# KiCad board mse-50-idc-panel.kicad_pcb (continued)
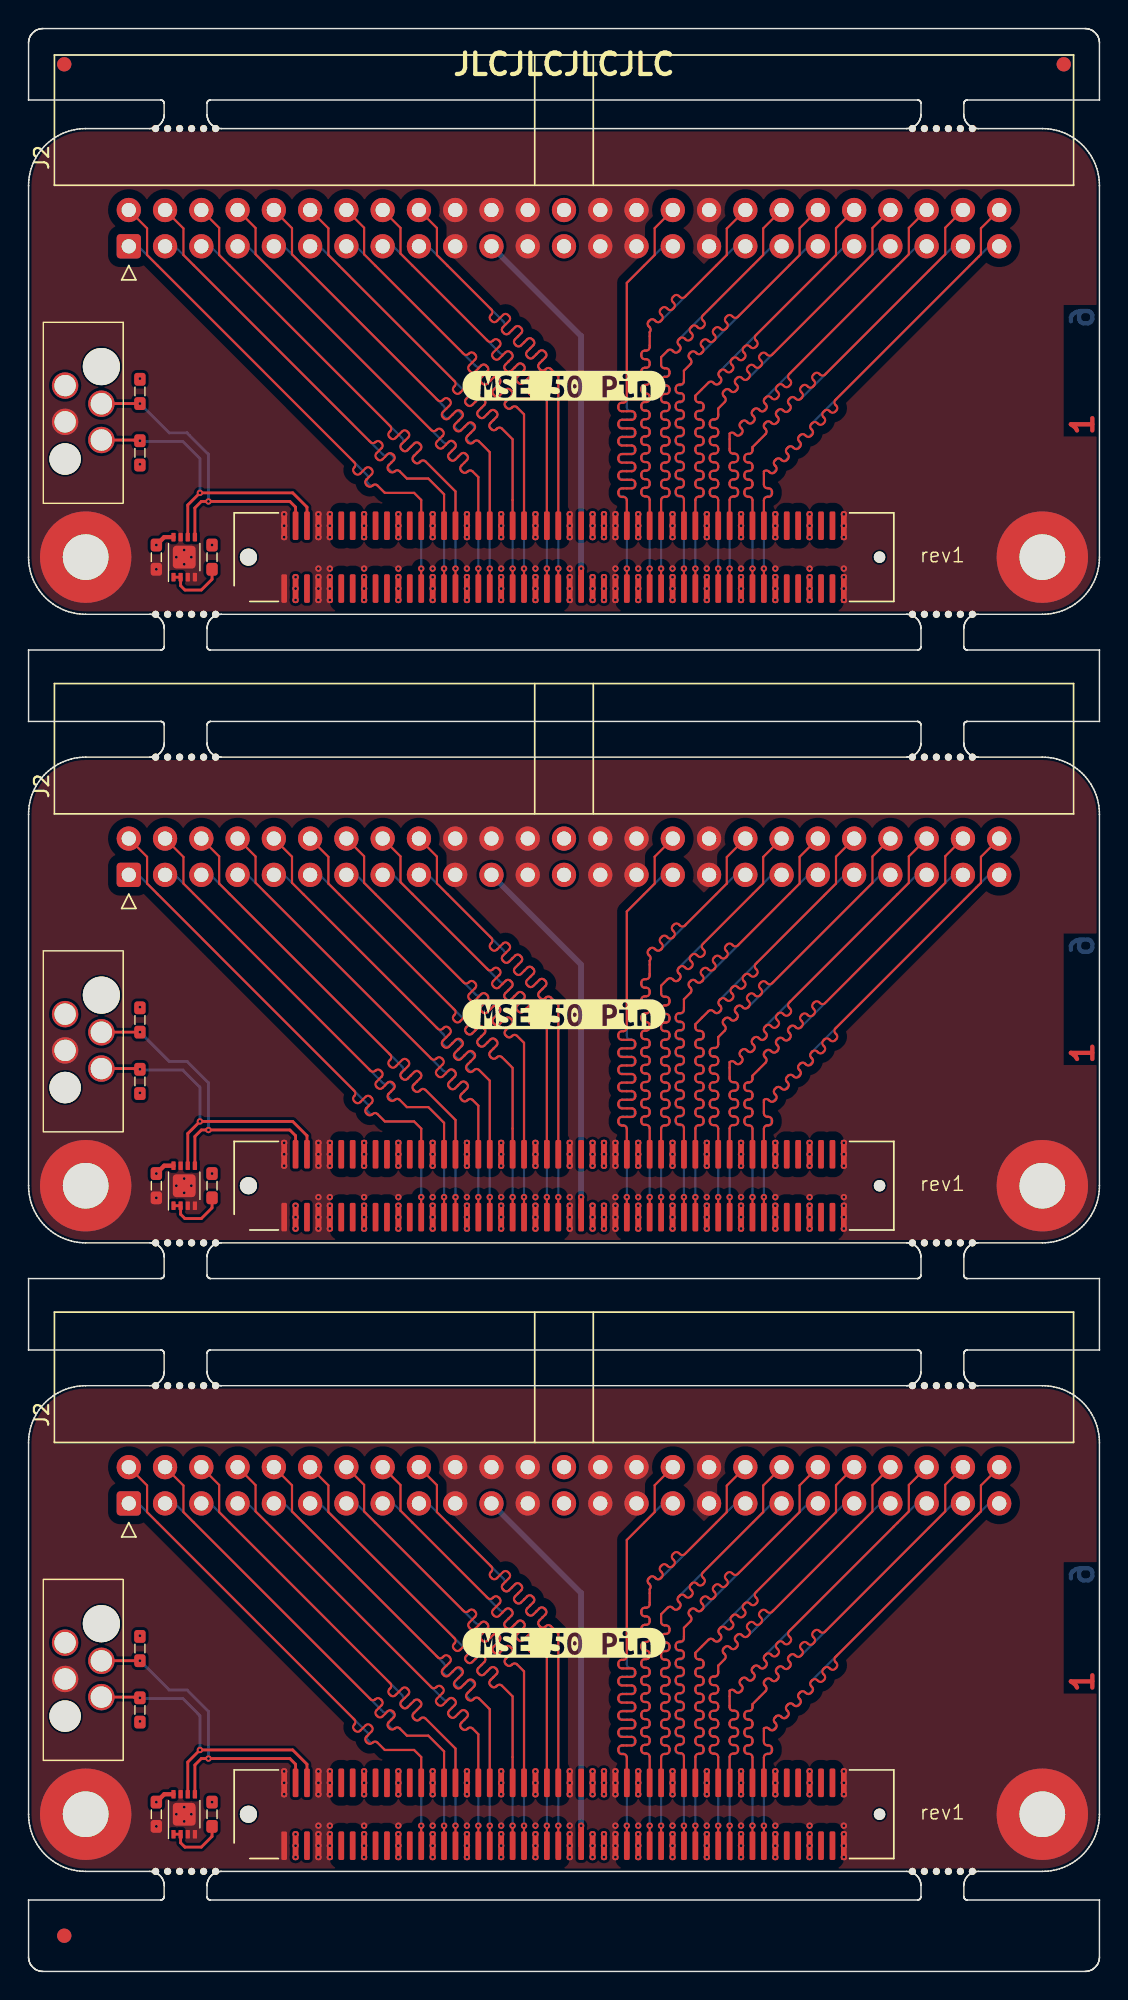
[diagram p0: board, top side]
## Routing (per net, layer and track width the routed paths; a pad name or vN(x,y) marks a point on that pad's centre or on a via; arc(x,y) is an arc through that point) (continued)
Board_2-/CON.DIFFSENSE: length 26.6
  Top w0.4: J1.53 v1(38.7,10.2)
  Bottom w0.4: J2.21 38.7,26.48 v1(38.7,10.2)
Board_2-/CON.DP0+: length 34.4
  Top w0.151: J1.49 v1(37.1,10.2)
  Bottom w0.151: J2.17 27.99,32.76 33.27,27.48 arc(33.34,27.31) 33.27,27.14 33.22,27.09 arc(33.15,26.92) 33.22,26.75 33.31,26.67 arc(33.47,26.6) 33.64,26.67 34.08,27.11 arc(34.25,27.18) 34.42,27.11 34.51,27.02 arc(34.58,26.85) 34.51,26.68 34.07,26.24 arc(34,26.07) 34.07,25.91 34.15,25.82 arc(34.32,25.75) 34.49,25.82 34.93,26.26 arc(35.1,26.33) 35.27,26.26 35.36,26.17 arc(35.43,26) 35.36,25.83 34.92,25.4 arc(34.85,25.23) 34.92,25.06 35,24.97 arc(35.17,24.9) 35.34,24.97 35.78,25.41 arc(35.95,25.48) 36.12,25.41 36.2,25.33 arc(36.27,25.16) 36.2,24.99 35.77,24.55 arc(35.7,24.38) 35.77,24.21 35.85,24.12 arc(36.02,24.05) 36.19,24.12 36.24,24.17 arc(36.41,24.24) 36.58,24.17 37.1,23.65 v1(37.1,10.2)
Board_2-/CON.DP0-: length 34
  Top w0.151: J1.50 37.1,23.65 36.58,24.18 arc(36.41,24.25) 36.24,24.18 36.18,24.12 arc(36.01,24.05) 35.84,24.12 35.76,24.21 arc(35.69,24.38) 35.76,24.55 36.2,24.99 arc(36.27,25.16) 36.2,25.33 36.12,25.42 arc(35.95,25.49) 35.78,25.42 35.34,24.97 arc(35.17,24.9) 35,24.97 34.91,25.06 arc(34.84,25.23) 34.91,25.4 35.35,25.84 arc(35.42,26.01) 35.35,26.18 35.27,26.26 arc(35.1,26.34) 34.93,26.26 34.49,25.82 arc(34.32,25.75) 34.15,25.82 34.06,25.91 arc(33.99,26.08) 34.06,26.25 34.51,26.69 arc(34.58,26.86) 34.51,27.03 34.42,27.11 arc(34.25,27.18) 34.08,27.11 33.64,26.67 arc(33.47,26.6) 33.3,26.67 33.21,26.76 arc(33.14,26.93) 33.21,27.09 33.66,27.54 arc(33.73,27.71) 33.66,27.88 33.57,27.96 arc(33.4,28.03) 33.23,27.96 32.79,27.52 arc(32.62,27.45) 32.45,27.52 32.37,27.6 arc(32.3,27.77) 32.37,27.94 32.42,28 arc(32.49,28.16) 32.42,28.33 28.6,32.15 28.6,34.04 J2.18
Board_2-/CON.I/O+: length 34.4
  Top w0.151: J1.85 v1(51.5,10.2)
  Bottom w0.151: J2.49 67.26,32.76 54.89,20.4 54.81,20.31 arc(54.74,20.14) 54.81,19.97 54.84,19.94 arc(54.91,19.77) 54.84,19.6 54.76,19.51 arc(54.59,19.44) 54.42,19.51 54.38,19.55 arc(54.22,19.62) 54.05,19.55 53.96,19.46 arc(53.89,19.29) 53.96,19.12 53.99,19.09 arc(54.06,18.92) 53.99,18.75 53.91,18.67 arc(53.74,18.6) 53.57,18.67 53.54,18.7 arc(53.37,18.77) 53.2,18.7 53.11,18.61 arc(53.04,18.44) 53.11,18.27 53.15,18.24 arc(53.22,18.07) 53.15,17.9 53.06,17.82 arc(52.89,17.75) 52.72,17.82 52.69,17.85 arc(52.52,17.92) 52.35,17.85 52.26,17.77 arc(52.19,17.6) 52.26,17.43 52.3,17.39 arc(52.37,17.22) 52.3,17.05 52.21,16.97 arc(52.04,16.9) 51.87,16.97 51.84,17 arc(51.67,17.07) 51.5,17 51.5,16.08 arc(51.57,15.91) 51.74,15.84 51.79,15.84 arc(51.96,15.77) 52.03,15.6 52.03,15.48 arc(51.96,15.31) 51.79,15.24 51.74,15.24 arc(51.57,15.17) 51.5,15 v1(51.5,10.2)
Board_2-/CON.I/O-: length 34
  Top w0.151: J2.50 66.7,34.02 66.7,32.2 56.59,22.09 56.51,22.01 arc(56.44,21.84) 56.51,21.67 56.57,21.6 arc(56.64,21.43) 56.57,21.26 56.49,21.18 arc(56.32,21.11) 56.15,21.18 56.08,21.24 arc(55.91,21.31) 55.74,21.24 55.66,21.16 arc(55.59,20.99) 55.66,20.82 55.72,20.76 arc(55.79,20.59) 55.72,20.42 55.64,20.33 arc(55.47,20.26) 55.3,20.33 55.23,20.4 arc(55.06,20.47) 54.89,20.4 54.81,20.31 arc(54.74,20.14) 54.81,19.97 54.87,19.91 arc(54.94,19.74) 54.87,19.57 54.79,19.48 arc(54.62,19.41) 54.45,19.48 54.38,19.55 arc(54.22,19.62) 54.05,19.55 53.96,19.46 arc(53.89,19.29) 53.96,19.12 54.03,19.06 arc(54.1,18.89) 54.03,18.72 53.94,18.63 arc(53.77,18.56) 53.6,18.63 53.54,18.7 arc(53.37,18.77) 53.2,18.7 53.11,18.61 arc(53.04,18.44) 53.11,18.27 53.18,18.21 arc(53.25,18.04) 53.18,17.87 53.09,17.79 arc(52.92,17.72) 52.75,17.79 52.69,17.85 arc(52.52,17.92) 52.35,17.85 52.26,17.77 arc(52.19,17.6) 52.26,17.43 52.33,17.36 arc(52.4,17.19) 52.33,17.02 52.24,16.94 arc(52.07,16.87) 51.9,16.94 51.84,17 arc(51.67,17.07) 51.5,17 51.5,16.06 arc(51.57,15.89) 51.74,15.82 51.83,15.82 arc(52,15.75) 52.07,15.58 52.07,15.46 arc(52,15.29) 51.83,15.22 51.74,15.22 arc(51.57,15.15) 51.5,14.98 J1.86
Board_2-/CON.MSG+: length 34.4
  Top w0.151: J1.73 v1(46.7,10.2)
  Bottom w0.151: v1(46.7,10.2) 46.7,14.99 arc(46.77,15.16) 46.94,15.23 47.06,15.23 arc(47.23,15.3) 47.3,15.47 47.3,15.59 arc(47.23,15.76) 47.06,15.83 46.94,15.83 arc(46.77,15.9) 46.7,16.07 46.7,16.19 arc(46.77,16.36) 46.94,16.43 47.06,16.43 arc(47.23,16.5) 47.3,16.67 47.3,16.79 arc(47.23,16.96) 47.06,17.03 46.94,17.03 arc(46.77,17.1) 46.7,17.27 46.7,17.39 arc(46.77,17.56) 46.94,17.63 47.06,17.63 arc(47.23,17.7) 47.3,17.87 47.3,17.99 arc(47.23,18.16) 47.06,18.23 46.94,18.23 arc(46.77,18.3) 46.7,18.47 46.7,18.59 arc(46.77,18.76) 46.94,18.83 47.06,18.83 arc(47.23,18.9) 47.3,19.07 47.3,19.19 arc(47.23,19.36) 47.06,19.43 46.94,19.43 arc(46.77,19.5) 46.7,19.67 46.7,19.79 arc(46.77,19.96) 46.94,20.03 47.06,20.03 arc(47.23,20.1) 47.3,20.27 47.3,20.39 arc(47.23,20.56) 47.06,20.63 46.94,20.63 arc(46.77,20.7) 46.7,20.87 46.7,20.99 arc(46.77,21.16) 46.94,21.23 47.06,21.23 arc(47.23,21.3) 47.3,21.47 47.3,21.59 arc(47.23,21.76) 47.06,21.83 46.94,21.83 arc(46.77,21.9) 46.7,22.07 46.7,22.3 47.62,23.22 arc(47.79,23.29) 47.96,23.22 48.04,23.14 arc(48.21,23.07) 48.38,23.14 48.47,23.22 arc(48.54,23.39) 48.47,23.56 48.38,23.65 arc(48.31,23.82) 48.38,23.98 48.47,24.07 57.16,32.76 J2.41
Board_2-/CON.MSG-: length 34
  Top w0.151: J2.42 56.55,34.03 56.55,32.15 51.01,26.62 50.93,26.53 arc(50.86,26.36) 50.93,26.19 50.99,26.13 arc(51.06,25.96) 50.99,25.79 50.91,25.7 arc(50.74,25.63) 50.57,25.7 50.5,25.77 arc(50.33,25.84) 50.16,25.77 50.08,25.68 arc(50.01,25.51) 50.08,25.34 50.15,25.28 arc(50.22,25.11) 50.15,24.94 50.06,24.85 arc(49.89,24.78) 49.72,24.85 49.66,24.92 arc(49.49,24.99) 49.32,24.92 49.23,24.83 arc(49.16,24.66) 49.23,24.49 49.3,24.43 arc(49.37,24.26) 49.3,24.09 49.21,24 arc(49.04,23.93) 48.87,24 48.81,24.07 arc(48.64,24.14) 48.47,24.07 48.38,23.98 arc(48.31,23.82) 48.38,23.65 48.45,23.58 arc(48.52,23.41) 48.45,23.24 48.36,23.16 arc(48.19,23.09) 48.02,23.16 47.96,23.22 arc(47.79,23.29) 47.62,23.22 46.7,22.3 46.7,22.08 arc(46.77,21.91) 46.94,21.84 47.03,21.84 arc(47.2,21.77) 47.27,21.6 47.27,21.48 arc(47.2,21.31) 47.03,21.24 46.94,21.24 arc(46.77,21.17) 46.7,21 46.7,20.88 arc(46.77,20.71) 46.94,20.64 47.03,20.64 arc(47.2,20.57) 47.27,20.4 47.27,20.28 arc(47.2,20.11) 47.03,20.04 46.94,20.04 arc(46.77,19.97) 46.7,19.8 46.7,19.68 arc(46.77,19.51) 46.94,19.44 47.03,19.44 arc(47.2,19.37) 47.27,19.2 47.27,19.08 arc(47.2,18.91) 47.03,18.84 46.94,18.84 arc(46.77,18.77) 46.7,18.6 46.7,18.48 arc(46.77,18.31) 46.94,18.24 47.03,18.24 arc(47.2,18.17) 47.27,18 47.27,17.88 arc(47.2,17.71) 47.03,17.64 46.94,17.64 arc(46.77,17.57) 46.7,17.4 46.7,17.28 arc(46.77,17.11) 46.94,17.04 47.03,17.04 arc(47.2,16.97) 47.27,16.8 47.27,16.68 arc(47.2,16.51) 47.03,16.44 46.94,16.44 arc(46.77,16.37) 46.7,16.2 46.7,16.08 arc(46.77,15.91) 46.94,15.84 47.03,15.84 arc(47.2,15.77) 47.27,15.6 47.27,15.48 arc(47.2,15.31) 47.03,15.24 46.94,15.24 arc(46.77,15.17) 46.7,15 J1.74
Board_2-/CON.REQ+: length 34.4
  Top w0.151: J1.83 v1(50.7,10.2)
  Bottom w0.151: v1(50.7,10.2) 50.7,15 arc(50.63,15.17) 50.46,15.24 50.4,15.24 arc(50.23,15.31) 50.16,15.48 50.16,15.6 arc(50.23,15.77) 50.4,15.84 50.46,15.84 arc(50.63,15.91) 50.7,16.08 50.7,16.2 arc(50.63,16.37) 50.46,16.44 50.4,16.44 arc(50.23,16.51) 50.16,16.68 50.16,16.8 arc(50.23,16.97) 50.4,17.04 50.46,17.04 arc(50.63,17.11) 50.7,17.28 50.7,17.4 arc(50.63,17.57) 50.46,17.64 50.4,17.64 arc(50.23,17.71) 50.16,17.88 50.16,18 arc(50.23,18.17) 50.4,18.24 50.46,18.24 arc(50.63,18.31) 50.7,18.48 50.7,18.7 51.62,19.62 arc(51.69,19.79) 51.62,19.96 51.58,20 arc(51.51,20.17) 51.58,20.34 51.66,20.42 arc(51.83,20.5) 52,20.42 52.04,20.38 arc(52.21,20.31) 52.38,20.38 52.47,20.47 arc(52.54,20.64) 52.47,20.81 52.43,20.85 arc(52.36,21.02) 52.43,21.19 52.51,21.27 arc(52.68,21.34) 52.85,21.27 52.89,21.23 arc(53.06,21.16) 53.23,21.23 53.32,21.32 arc(53.39,21.49) 53.32,21.66 53.28,21.7 arc(53.21,21.87) 53.28,22.04 53.36,22.12 arc(53.53,22.19) 53.7,22.12 53.74,22.08 arc(53.91,22.01) 54.08,22.08 54.16,22.17 64.76,32.76 J2.47
Board_2-/CON.REQ-: length 34
  Top w0.151: J1.84 50.7,14.99 arc(50.63,15.16) 50.46,15.23 50.37,15.23 arc(50.2,15.3) 50.13,15.47 50.13,15.59 arc(50.2,15.76) 50.37,15.83 50.46,15.83 arc(50.63,15.9) 50.7,16.07 50.7,16.19 arc(50.63,16.36) 50.46,16.43 50.37,16.43 arc(50.2,16.5) 50.13,16.67 50.13,16.79 arc(50.2,16.96) 50.37,17.03 50.46,17.03 arc(50.63,17.1) 50.7,17.27 50.7,17.39 arc(50.63,17.56) 50.46,17.63 50.37,17.63 arc(50.2,17.7) 50.13,17.87 50.13,17.99 arc(50.2,18.16) 50.37,18.23 50.46,18.23 arc(50.63,18.3) 50.7,18.47 50.7,18.7 51.62,19.62 arc(51.69,19.79) 51.62,19.96 51.56,20.02 arc(51.48,20.19) 51.56,20.36 51.64,20.45 arc(51.81,20.52) 51.98,20.45 52.04,20.38 arc(52.21,20.31) 52.38,20.38 52.47,20.47 arc(52.54,20.64) 52.47,20.81 52.4,20.87 arc(52.33,21.04) 52.4,21.21 52.49,21.3 arc(52.66,21.37) 52.83,21.3 52.89,21.23 arc(53.06,21.16) 53.23,21.23 53.32,21.32 arc(53.39,21.49) 53.32,21.66 53.25,21.72 arc(53.18,21.89) 53.25,22.06 53.34,22.15 arc(53.51,22.22) 53.68,22.15 53.74,22.08 arc(53.91,22.01) 54.08,22.08 54.16,22.17 arc(54.24,22.34) 54.16,22.51 54.1,22.57 arc(54.03,22.74) 54.1,22.91 54.19,22.99 arc(54.36,23.06) 54.52,22.99 54.59,22.93 arc(54.76,22.86) 54.93,22.93 55.01,23.02 arc(55.08,23.19) 55.01,23.35 54.95,23.42 arc(54.88,23.59) 54.95,23.76 55.03,23.84 arc(55.2,23.91) 55.37,23.84 55.44,23.78 arc(55.61,23.71) 55.78,23.78 55.86,23.86 64.2,32.2 64.2,34.06 J2.48
Board_2-/CON.RST+: length 34.4
  Top w0.151: J1.71 v1(45.9,10.2)
  Bottom w0.151: J2.39 54.61,32.76 47.21,25.36 47.12,25.28 arc(46.95,25.2) 46.78,25.28 46.7,25.36 arc(46.53,25.43) 46.36,25.36 46.28,25.27 arc(46.21,25.1) 46.28,24.93 46.36,24.85 arc(46.43,24.68) 46.36,24.51 45.9,24.05 45.9,23.28 arc(45.83,23.11) 45.66,23.04 45.55,23.04 arc(45.38,22.97) 45.31,22.8 45.31,22.68 arc(45.38,22.51) 45.55,22.44 45.66,22.44 arc(45.83,22.37) 45.9,22.2 45.9,22.08 arc(45.83,21.91) 45.66,21.84 45.55,21.84 arc(45.38,21.77) 45.31,21.6 45.31,21.48 arc(45.38,21.31) 45.55,21.24 45.66,21.24 arc(45.83,21.17) 45.9,21 45.9,20.88 arc(45.83,20.71) 45.66,20.64 45.55,20.64 arc(45.38,20.57) 45.31,20.4 45.31,20.28 arc(45.38,20.11) 45.55,20.04 45.66,20.04 arc(45.83,19.97) 45.9,19.8 45.9,19.68 arc(45.83,19.51) 45.66,19.44 45.55,19.44 arc(45.38,19.37) 45.31,19.2 45.31,19.08 arc(45.38,18.91) 45.55,18.84 45.66,18.84 arc(45.83,18.77) 45.9,18.6 45.9,18.48 arc(45.83,18.31) 45.66,18.24 45.55,18.24 arc(45.38,18.17) 45.31,18 45.31,17.88 arc(45.38,17.71) 45.55,17.64 45.66,17.64 arc(45.83,17.57) 45.9,17.4 45.9,17.28 arc(45.83,17.11) 45.66,17.04 45.55,17.04 arc(45.38,16.97) 45.31,16.8 45.31,16.68 arc(45.38,16.51) 45.55,16.44 45.66,16.44 arc(45.83,16.37) 45.9,16.2 45.9,16.08 arc(45.83,15.91) 45.66,15.84 45.55,15.84 arc(45.38,15.77) 45.31,15.6 45.31,15.48 arc(45.38,15.31) 45.55,15.24 45.66,15.24 arc(45.83,15.17) 45.9,15 v1(45.9,10.2)
Board_2-/CON.RST-: length 34
  Top w0.151: J1.72 45.9,15.05 arc(45.83,15.21) 45.66,15.29 45.57,15.29 arc(45.4,15.36) 45.33,15.53 45.33,15.65 arc(45.4,15.81) 45.57,15.89 45.66,15.89 arc(45.83,15.96) 45.9,16.13 45.9,16.25 arc(45.83,16.41) 45.66,16.49 45.57,16.49 arc(45.4,16.56) 45.33,16.73 45.33,16.85 arc(45.4,17.01) 45.57,17.09 45.66,17.09 arc(45.83,17.16) 45.9,17.33 45.9,17.45 arc(45.83,17.61) 45.66,17.69 45.57,17.69 arc(45.4,17.76) 45.33,17.93 45.33,18.05 arc(45.4,18.21) 45.57,18.29 45.66,18.29 arc(45.83,18.36) 45.9,18.53 45.9,18.65 arc(45.83,18.81) 45.66,18.89 45.57,18.89 arc(45.4,18.96) 45.33,19.13 45.33,19.25 arc(45.4,19.41) 45.57,19.49 45.66,19.49 arc(45.83,19.56) 45.9,19.73 45.9,19.85 arc(45.83,20.01) 45.66,20.09 45.57,20.09 arc(45.4,20.16) 45.33,20.33 45.33,20.45 arc(45.4,20.61) 45.57,20.69 45.66,20.69 arc(45.83,20.76) 45.9,20.93 45.9,21.05 arc(45.83,21.21) 45.66,21.29 45.57,21.29 arc(45.4,21.36) 45.33,21.53 45.33,21.65 arc(45.4,21.81) 45.57,21.89 45.66,21.89 arc(45.83,21.96) 45.9,22.13 45.9,22.25 arc(45.83,22.41) 45.66,22.49 45.57,22.49 arc(45.4,22.56) 45.33,22.73 45.33,22.85 arc(45.4,23.01) 45.57,23.09 45.66,23.09 arc(45.83,23.16) 45.9,23.33 45.9,24.05 46.36,24.51 arc(46.43,24.68) 46.36,24.85 46.29,24.92 arc(46.22,25.09) 46.29,25.26 46.38,25.34 arc(46.55,25.41) 46.72,25.34 46.78,25.28 arc(46.95,25.2) 47.12,25.28 47.21,25.36 arc(47.28,25.53) 47.21,25.7 47.14,25.76 arc(47.07,25.93) 47.14,26.1 47.23,26.19 arc(47.4,26.26) 47.57,26.19 47.63,26.12 arc(47.8,26.05) 47.97,26.12 48.06,26.21 arc(48.13,26.38) 48.06,26.55 47.99,26.61 arc(47.92,26.78) 47.99,26.95 48.08,27.04 arc(48.25,27.11) 48.42,27.04 48.48,26.97 arc(48.65,26.9) 48.82,26.97 48.91,27.06 arc(48.98,27.23) 48.91,27.4 48.84,27.46 arc(48.77,27.63) 48.84,27.8 48.92,27.89 arc(49.09,27.96) 49.26,27.89 49.33,27.82 arc(49.5,27.75) 49.67,27.82 54,32.15 54,34.02 J2.40
Board_2-/CON.SEL+: length 34.4
  Top w0.151: J1.77 v1(48.3,10.2)
  Bottom w0.151: J2.43 59.66,32.76 50.46,23.56 50.37,23.47 arc(50.2,23.4) 50.03,23.47 49.97,23.54 arc(49.8,23.61) 49.63,23.54 49.55,23.45 arc(49.48,23.28) 49.55,23.11 49.61,23.05 arc(49.68,22.88) 49.61,22.71 49.52,22.63 arc(49.35,22.55) 49.18,22.63 49.12,22.69 arc(48.95,22.76) 48.78,22.69 48.7,22.6 arc(48.63,22.43) 48.7,22.26 48.76,22.2 arc(48.83,22.03) 48.76,21.86 48.3,21.4 48.3,20.88 arc(48.23,20.71) 48.06,20.64 47.97,20.64 arc(47.8,20.57) 47.73,20.4 47.73,20.28 arc(47.8,20.11) 47.97,20.04 48.06,20.04 arc(48.23,19.97) 48.3,19.8 48.3,19.68 arc(48.23,19.51) 48.06,19.44 47.97,19.44 arc(47.8,19.37) 47.73,19.2 47.73,19.08 arc(47.8,18.91) 47.97,18.84 48.06,18.84 arc(48.23,18.77) 48.3,18.6 48.3,18.48 arc(48.23,18.31) 48.06,18.24 47.97,18.24 arc(47.8,18.17) 47.73,18 47.73,17.88 arc(47.8,17.71) 47.97,17.64 48.06,17.64 arc(48.23,17.57) 48.3,17.4 48.3,17.28 arc(48.23,17.11) 48.06,17.04 47.97,17.04 arc(47.8,16.97) 47.73,16.8 47.73,16.68 arc(47.8,16.51) 47.97,16.44 48.06,16.44 arc(48.23,16.37) 48.3,16.2 48.3,16.08 arc(48.23,15.91) 48.06,15.84 47.97,15.84 arc(47.8,15.77) 47.73,15.6 47.73,15.48 arc(47.8,15.31) 47.97,15.24 48.06,15.24 arc(48.23,15.17) 48.3,15 v1(48.3,10.2)
Board_2-/CON.SEL-: length 34
  Top w0.151: J2.44 59.1,34.04 59.1,32.2 52.15,25.26 52.07,25.17 arc(51.9,25.1) 51.73,25.17 51.65,25.25 arc(51.48,25.32) 51.31,25.25 51.23,25.17 arc(51.16,25) 51.23,24.83 51.31,24.75 arc(51.38,24.58) 51.31,24.41 51.22,24.32 arc(51.05,24.25) 50.88,24.32 50.8,24.4 arc(50.63,24.47) 50.46,24.4 50.38,24.32 arc(50.31,24.15) 50.38,23.98 50.46,23.9 arc(50.53,23.73) 50.46,23.56 50.37,23.47 arc(50.2,23.4) 50.03,23.47 49.95,23.55 arc(49.78,23.62) 49.61,23.55 49.53,23.47 arc(49.46,23.3) 49.53,23.13 49.61,23.05 arc(49.68,22.88) 49.61,22.71 49.52,22.63 arc(49.35,22.55) 49.18,22.63 49.1,22.7 arc(48.94,22.77) 48.77,22.7 48.68,22.62 arc(48.61,22.45) 48.68,22.28 48.76,22.2 arc(48.83,22.03) 48.76,21.86 48.3,21.4 48.3,20.89 arc(48.23,20.72) 48.06,20.65 47.95,20.65 arc(47.78,20.57) 47.71,20.41 47.71,20.29 arc(47.78,20.12) 47.95,20.05 48.06,20.05 arc(48.23,19.97) 48.3,19.81 48.3,19.69 arc(48.23,19.52) 48.06,19.45 47.95,19.45 arc(47.78,19.37) 47.71,19.21 47.71,19.09 arc(47.78,18.92) 47.95,18.85 48.06,18.85 arc(48.23,18.77) 48.3,18.61 48.3,18.49 arc(48.23,18.32) 48.06,18.25 47.95,18.25 arc(47.78,18.17) 47.71,18.01 47.71,17.89 arc(47.78,17.72) 47.95,17.65 48.06,17.65 arc(48.23,17.57) 48.3,17.41 48.3,17.29 arc(48.23,17.12) 48.06,17.05 47.95,17.05 arc(47.78,16.97) 47.71,16.81 47.71,16.69 arc(47.78,16.52) 47.95,16.45 48.06,16.45 arc(48.23,16.37) 48.3,16.21 48.3,16.09 arc(48.23,15.92) 48.06,15.85 47.95,15.85 arc(47.78,15.77) 47.71,15.61 47.71,15.49 arc(47.78,15.32) 47.95,15.25 48.06,15.25 arc(48.23,15.17) 48.3,15.01 J1.78
Board_2-/CON.TERMPWR:
  vias: v1(39.5,14) v1(39.5,13.2) v1(39.5,12.4) v1(39.5,9.6) v1(39.5,8.8) v1(39.5,8) v1(40.3,14) v1(40.3,13.2) v1(40.3,12.4) v1(40.3,9.6) v1(40.3,8.8) v1(40.3,8)
Board_2-/PHY.ID_SCL: length 22.5
  Top w0.2: J3#3.4 7.4,19.2 7.45,19.15 v1(7.8,19.15) ; J1.6 19.5,14.5 18.5,15.5 v1(12,15.5) 11.15,14.65 U1#3.6
  Bottom w0.2: v1(12,15.5) 12,17.9 10.8,19.1 7.85,19.1 v1(7.8,19.15)
Board_2-/PHY.ID_SDA: length 23
  Top w0.2: J3#3.2 5.11,21.75 v1(7.8,21.75) ; J1.4 18.7,14.5 18.3,14.9 12.1,14.9 11.65,14.45 U1#3.5
  Bottom w0.2: v1(7.8,21.75) 9.85,19.7 11.1,19.7 12.6,18.2 v1(12.6,14.9)
Board_2-GND:
  vias: v1(8.95,10.15) v1(10.35,11) v1(10.9,11.5) v1(10.9,10.5) v1(11.4,11) v1(17.9,14) v1(17.9,13.2) v1(17.9,12.4) v1(20.3,14) v1(20.3,13.2) v1(20.3,12.4) v1(20.3,10.2) v1(20.3,9.6) v1(20.3,8.8) v1(20.3,8) v1(21.1,14) v1(21.1,13.2) v1(21.1,12.4) v1(21.1,10.2) v1(21.1,9.6) v1(21.1,8.8) v1(21.1,8) v1(23.5,14) v1(23.5,13.2) v1(23.5,12.4) v1(23.5,10.2) v1(23.5,9.6) v1(23.5,8.8) v1(23.5,8) v1(25.9,14) v1(25.9,13.2) v1(25.9,12.4) v1(25.9,10.2) v1(25.9,9.6) v1(25.9,8.8) v1(25.9,8) v1(28.3,14) v1(28.3,13.2) v1(28.3,12.4) v1(28.3,10.2) v1(28.3,9.6) v1(28.3,8.8) v1(28.3,8) v1(30.7,14) v1(30.7,13.2) v1(30.7,12.4) v1(30.7,10.2) v1(30.7,9.6) v1(30.7,8.8) v1(30.7,8) v1(33.1,14) v1(33.1,13.2) v1(33.1,12.4) v1(33.1,10.2) v1(33.1,9.6) v1(33.1,8.8) v1(33.1,8) v1(35.5,14) v1(35.5,13.2) v1(35.5,12.4) v1(35.5,10.2) v1(35.5,9.6) v1(35.5,8.8) v1(35.5,8) v1(37.9,14) v1(37.9,13.2) v1(37.9,12.4) v1(37.9,10.2) v1(37.9,9.6) v1(37.9,8.8) v1(37.9,8) v1(41.1,14) v1(41.1,13.2) v1(41.1,12.4) v1(41.1,10.2) v1(41.1,9.6) v1(41.1,8.8) v1(41.1,8) v1(42.7,14) v1(42.7,13.2) v1(42.7,12.4) v1(42.7,10.2) v1(42.7,9.6) v1(42.7,8.8) v1(42.7,8) v1(45.1,14) v1(45.1,13.2) v1(45.1,12.4) v1(45.1,10.2) v1(45.1,9.6) v1(45.1,8.8) v1(45.1,8) v1(47.5,14) v1(47.5,13.2) v1(47.5,12.4) v1(47.5,10.2) v1(47.5,9.6) v1(47.5,8.8) v1(47.5,8) v1(49.9,14) v1(49.9,13.2) v1(49.9,12.4) v1(49.9,10.2) v1(49.9,9.6) v1(49.9,8.8) v1(49.9,8) v1(52.3,14) v1(52.3,13.2) v1(52.3,12.4) v1(52.3,10.2) v1(52.3,9.6) v1(52.3,8.8) v1(52.3,8) v1(54.7,14) v1(54.7,13.2) v1(54.7,12.4) v1(54.7,10.2) v1(54.7,9.6) v1(54.7,8.8) v1(54.7,8) v1(57.1,14) v1(57.1,13.2) v1(57.1,12.4) v1(57.1,10.2) v1(57.1,9.6) v1(57.1,8.8) v1(57.1,8)
Board_2-Net-(U1-E0): length 4.4
  Top w0.2: U1#3.1 U1#3.2 10.65,9 10.95,8.7 12.1,8.7 12.85,9.45 R1#2.1

## Copper pours and planes (outline as drawn; the poured copper is in the pictures)
Board_0-+3V3 on In2.Cu: 19,95.7 4,95.7 0.7,99 0.7,112.2 9,112.2 9,102 14.8,102 19,97.8
Board_0-/CON.TERMPWR on In2.Cu: 0,95 75,95 75,129 0,129
Board_0-GND on Top, Bottom, In1.Cu, In3.Cu, In4.Cu: 75,95 0,95 0,129 75,129
Board_1-+3V3 on In2.Cu: 19,51.7 4,51.7 0.7,55 0.7,68.2 9,68.2 9,58 14.8,58 19,53.8
Board_1-/CON.TERMPWR on In2.Cu: 0,51 75,51 75,85 0,85
Board_1-GND on Top, Bottom, In1.Cu, In3.Cu, In4.Cu: 75,51 0,51 0,85 75,85
Board_2-+3V3 on In2.Cu: 19,7.7 4,7.7 0.7,11 0.7,24.2 9,24.2 9,14 14.8,14 19,9.8
Board_2-/CON.TERMPWR on In2.Cu: 0,7 75,7 75,41 0,41
Board_2-GND on Top, Bottom, In1.Cu, In3.Cu, In4.Cu: 75,7 0,7 0,41 75,41

## Text on the board
Bottom: 6
Top: 1
F.Silkscreen: rev1 | JLCJLCJLCJLC
In1.Cu: 2
In2.Cu: 3
In3.Cu: 4
In4.Cu: 5
